# Altium PCB 3-as-manufactured.PcbDoc (part 15 of 16)
Units mil, origin at the board's own origin, x right, y up, seen from the top; angles counter-clockwise.
Board outline 4130.55 x 4250 mil, 8 copper layers (L1_TOP, L2_GND, L3_INT, L4_PWR, L5_PWR, L6_INT, L7_GND, L8_BOT), stack 61 mil thick; 584 components, 489 nets, 2229 pads, 1894 vias.
Unrouted connection lines stored in the file: 4.
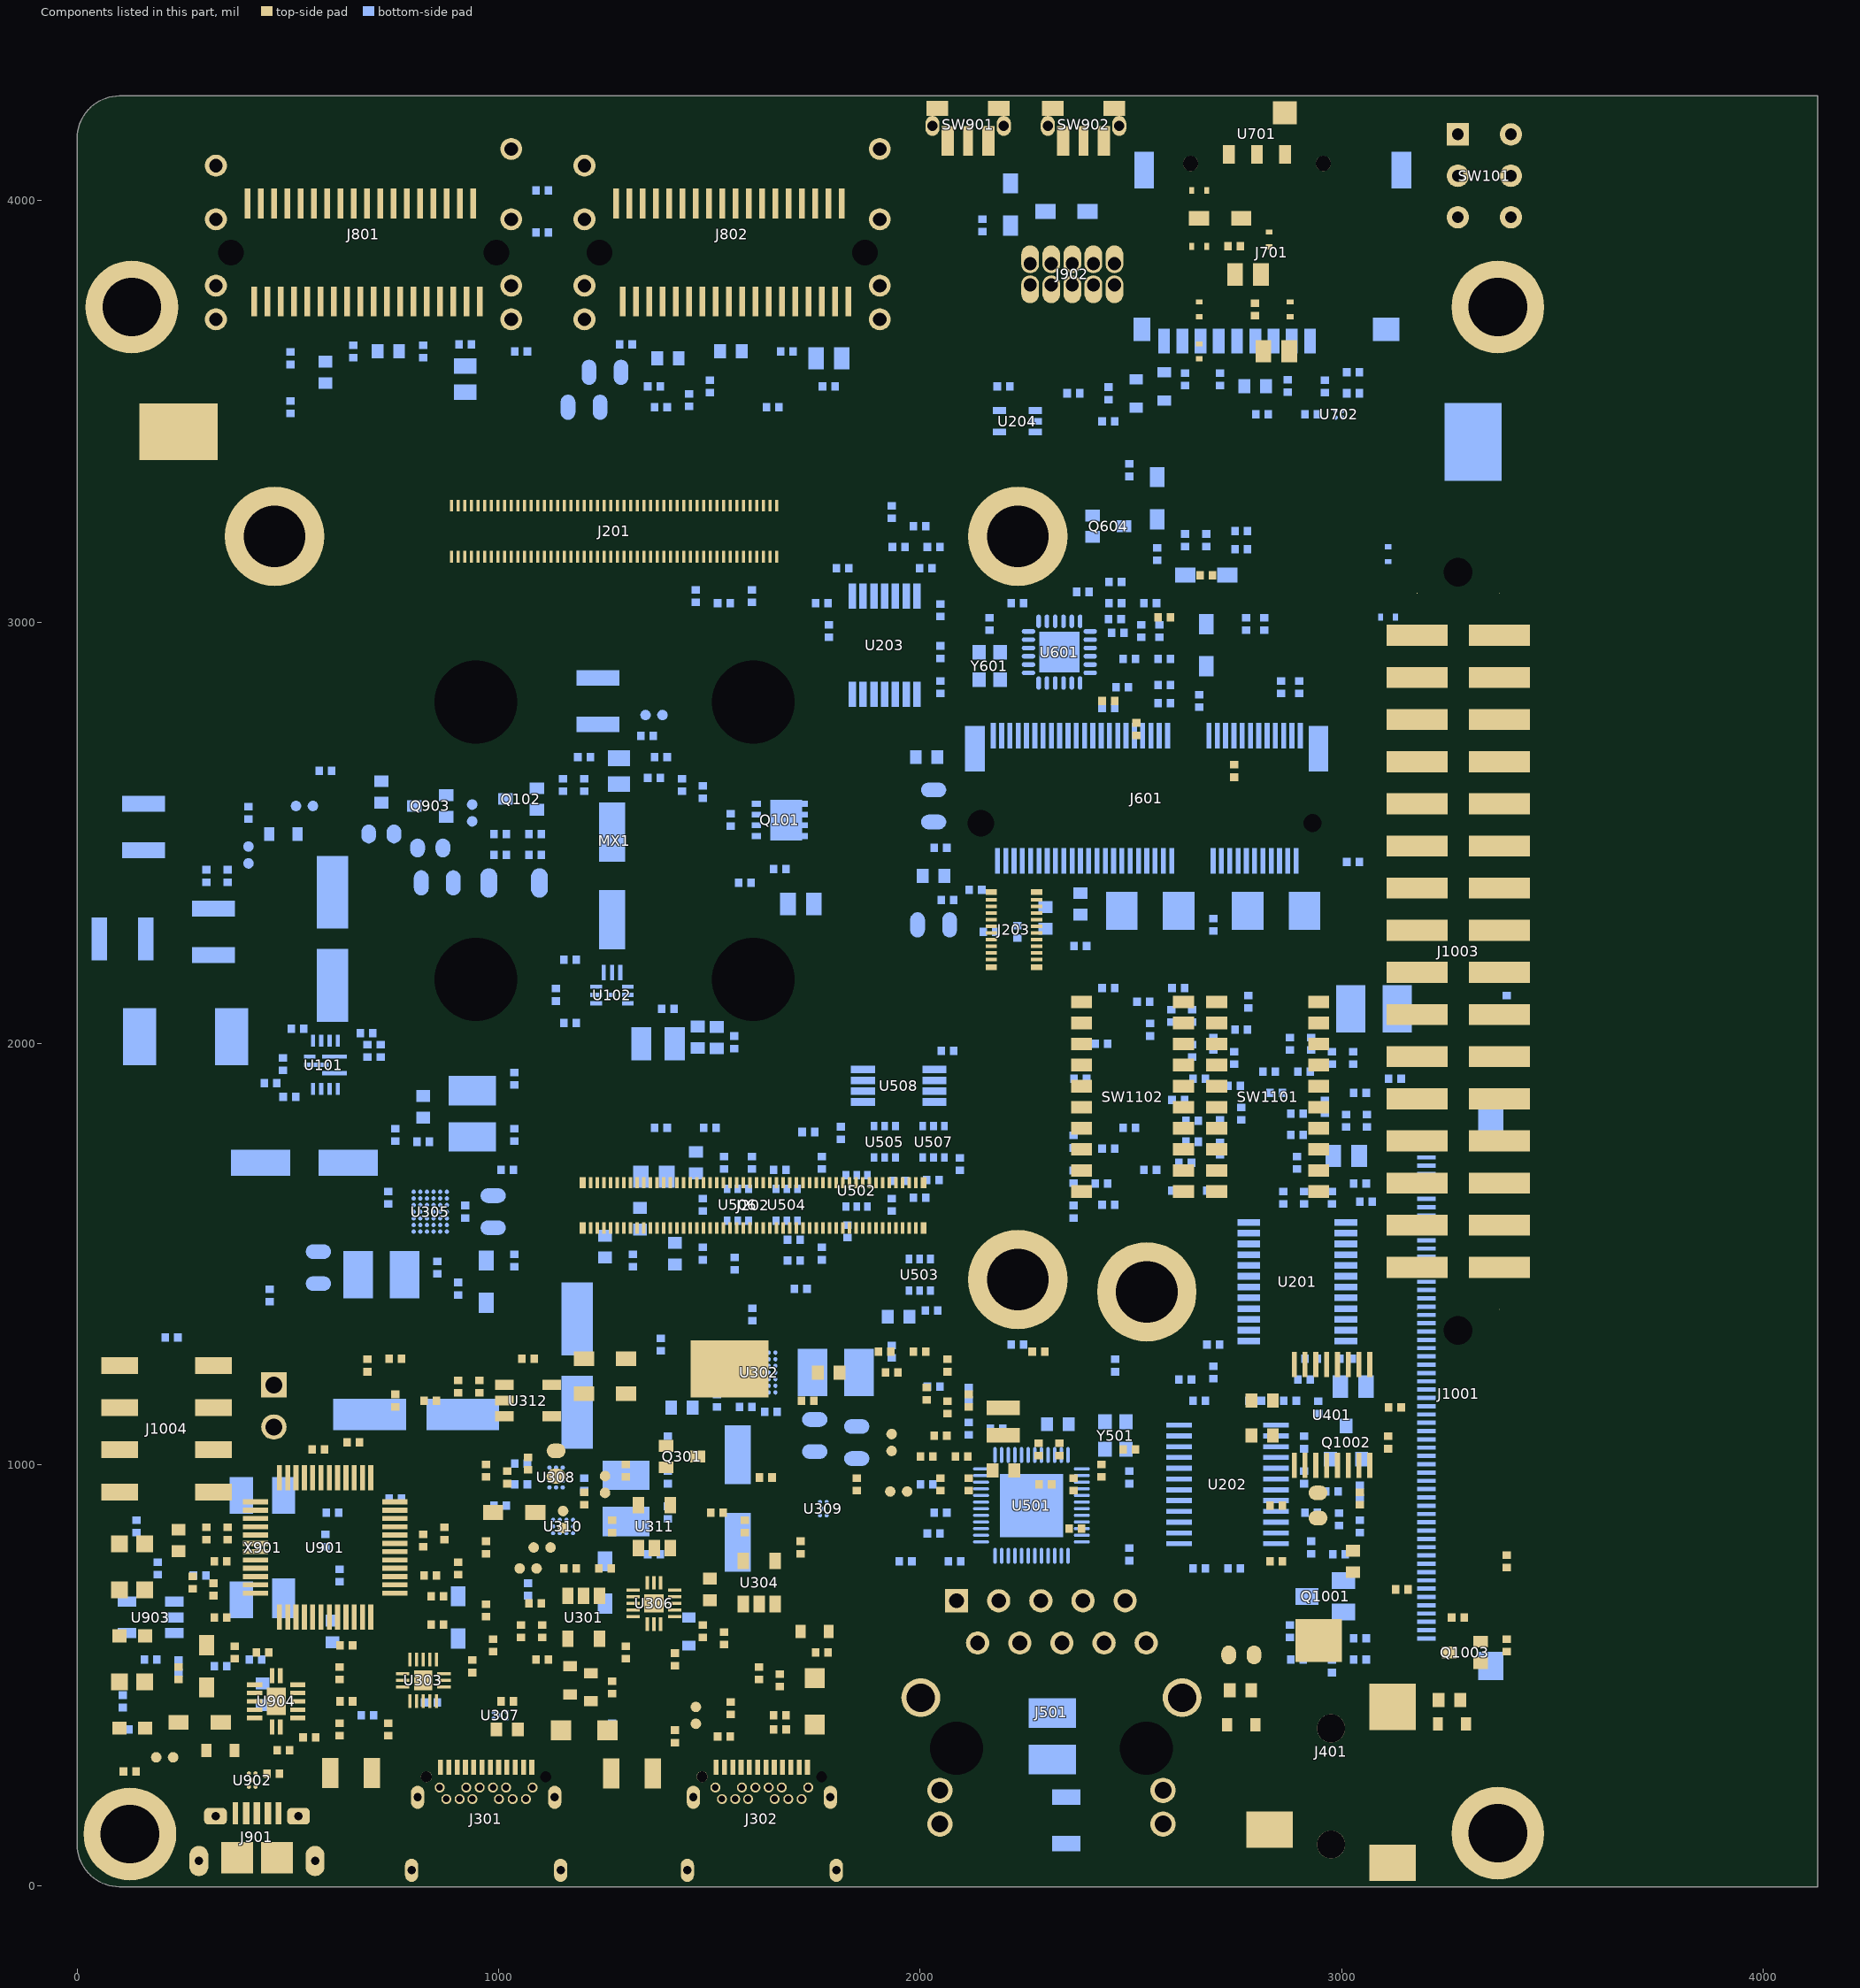
[diagram p21: the components of this part, seen from the top]

## Silkscreen, mask and mechanical layers (free items; w line width, h text height) (continued)
Fab Notes:
  drawing of 289 lines, arcs and shapes, not listed
  text "1. THIS DRAWING SPECIFIES THE REQUIREMENTS FOR A" at -15259.37,7995.79 h94
  text "PRINTED WIRING BOARD IN ACCORDANCE" at -11607,7989 h94
  text "WITH SPECIFICATION IPC-A-600 CLASS 2 (LATEST REVISION)." at -15249.37,7795.79 h94
  text "2. THE PWB MUST BE LEAD FREE ASSEMBLY PROCESS COMPATIBLE AND MUST BE ABLE TO HANDLE" at -15259.37,7395.79 h94
  text "A MINIMUM OF 5 CYCLES AT 260 DEGREES CELSIUS FOR 10 SECONDS." at -15159.37,7195.79 h94
  text "3. BASE MATERIAL - LAMINATE AND PREPREG SHALL MEET IPC-4101B-26, 83 or 98" at -15259.37,6795.79 h94
  text "Tg - MUST BE GREATER THAN OR EQUAL TO 150 DEGREES CELSIUS." at -14220.37,6605.79 h94
  text "Td - MUST BE GREATER THAN OR EQUAL TO 330 DEGREES CELSIUS." at -14220.37,6405.79 h94
  text "4. COPPER FOIL WEIGHT - SEE STACKUP DETAIL 'A'" at -15259.37,5995.79 h94
  text "5. CHARACTERISTIC IMPEDANCE - SEE DETAIL 'B'" at -15259.37,5595.79 h94
  text "6. MINIMUM CONDUCTIVE WIDTH/SPACING TO BE .004\"/.004\"" at -15259.37,5195.79 h94
  text "8" at 5055,5142 h125
  text "7. PLATING FINISH - BOTH SIDES ENIG (ELECTROLESS NICKEL IMMERSION GOLD):" at -15259.37,4795.79 h94
  text ".05080-.232 MICRON (2-8 MICROINCH) OF GOLD OVER" at -13690,4597 h94
  text "2.540-6.350 MICRON (100-250 MICROINCH) OF NICKEL." at -13694.37,4395.79 h94
  text "8. ALL THROUGH HOLE VIAS MAY BE PLATED SHUT." at -15259.37,3995.79 h94
  text "9. SOLDERMASK - GREEN COLOR (TAIYO OR EQUIVALENT), BOTH SIDES." at -15259.37,3595.79 h94
  text "10. SILKSCREEN - WHITE EPOXY INK, BOTH SIDES.  NO SILK ON PADS." at -15270,3249 h94
  text "11. ELECTRICAL TEST - 100% IPCD356." at -15259.37,2865.79 h94
  text "12. PRINTED WIRING BOARD IS TO BE INDIVIDUALLY BAGGED." at -15259.37,2465.79 h94
  text "13. DRC'S MUST BE RUN ON THE GERBER BEFORE BUILDING BOARDS" at -15259.37,2065.79 h94
  text "14. TEARDROPS MAY BE ADDED AT THE FAB HOUSE TO ALL SIGNAL LAYERS." at -15249,1698 h94
  text "15. 2 SOLDER SAMPLES TO BE PROVIDED." at -15247.37,1322.79 h94
  text "16. BASIC GRID INCREMENT AT 1:1 IS .0001." at -15248.37,921.79 h94
  text "17. SUPPLIER MARKINGS - ON SOLDER SIDE ONLY, WHERE SHOWN." at -15248.37,521.79 h94
  text "NO COPPER ALLOWED THIS REGION" at 3887,494 h120 r90
  text "- MUST BE UL RECOGNIZED AND MUST HAVE AN ID THAT CONFORMS TO UL94V-0" at -13631,333 h94
  text "23" at 3742.7,101.4 h94
  text "0" at -1316.37,-35.21 h63
  text "18. THE PWB WILL BE MARKED AS LEAD FREE BY USE OF AN INK STAMP  Pb" at -15247.37,-77.21 h94
  text "19. THE PWB WILL BE MARKED AS LEAD FREE PROCESS COMPATIBLE BY USE OF AN INK STAMP  260 C" at -15247.37,-477.21 h94
  text "16" at -2432.3,-517.6 h94
  text "PRIMARY DATUM" at -2636.61,-719.86 h63
  text "GRID ORIGIN" at -2646.61,-804.86 h63
  text "20. ALL PLATED AND NON-PLATED THROUGH HOLES ARE TO BE DRILLED AT PRIMARY DRILL STEP." at -15233,-849 h94
  text "0" at -26.37,-1019.21 h63
  text "ALL HOLE LOCATION TOLERANCES ARE TO BE +/-.003 IN REFERENCE TO THE PRIMARY DATUM." at -14946,-1064 h94
  text "21. FINISHED PCB MAY BE PANELIZED FOR ASSEMBLY ACCORDING TO CONTRACT MANUFACTURERS REQUIREMENTS." at -15247.37,-1477.21 h94
  text "THE ADDITION OF RAILS AND .125' NON-PLATED TOOLING HOLES ARE AT THE DISCRETION OF" at -14877.37,-1677.21 h94
  text "CONTRACT MANUFACTURER.PANELIZATION MUST BE APPROVED BY CONTRACT MANUFACTURER." at -14877.37,-1877.21 h94
  text "22. THIS BOARD USES VIA-IN-PAD:" at -15259.37,-2226.21 h94
  text "A. VIA HOLES LESS THAN OR EQUAL TO 8MIL TO BE FILLED WITH NON-CONDUCTIVE VIA FILL:" at -14609.37,-2426.21 h94
  text "SAN-EI PHP-900 OR EQUILVALENT EPOXY MADE PLANAR TO PADS." at -14239.37,-2626.21 h94
  text "VIEW FROM PRIMARY SIDE" at 458.39,-2734.86 h125
  text "B. OVERPLATE THE FILLED VIA AND APPLY FINISH METAL TREATMENT." at -14609.37,-2826.21 h94
  text "23.  ANTENNA REGION - NO COPPER ALLOWED" at -15250.37,-3389.21 h94
  text "24.  PASTE-IN-PAD, OFFSET SLOT PTH, 4 PLACES." at -15243.37,-3825.21 h94
  text "DETAIL B: IMPEDANCE REQUIREMENTS" at -1341,-4697 h200
  text "DETAIL A: LAYERS STACKUP" at -11706,-4711 h200
  text "B" at -11690.87,-5003.11 h151.9
  text "o" at -11593.53,-5003.11 h151.9
  text "a" at -11496.19,-5003.11 h151.9
  text "r" at -11398.84,-5003.11 h151.9
  text "d" at -11301.5,-5003.11 h151.9
  text "L" at -11106.81,-5003.11 h151.9
  text "a" at -11009.47,-5003.11 h151.9
  text "y" at -10912.13,-5003.11 h151.9
  text "e" at -10814.79,-5003.11 h151.9
  text "r" at -10717.44,-5003.11 h151.9
  text "S" at -10522.76,-5003.11 h151.9
  text "t" at -10425.42,-5003.11 h151.9
  text "a" at -10328.07,-5003.11 h151.9
  text "c" at -10230.73,-5003.11 h151.9
  text "k" at -10133.39,-5003.11 h151.9
  text "(" at -9938.7,-5003.11 h151.9
  text "T" at -9841.36,-5003.11 h151.9
  text "h" at -9744.02,-5003.11 h151.9
  text "i" at -9646.68,-5003.11 h151.9
  text "c" at -9549.33,-5003.11 h151.9
  text "k" at -9451.99,-5003.11 h151.9
  text "n" at -9354.65,-5003.11 h151.9
  text "e" at -9257.31,-5003.11 h151.9
  text "s" at -9159.96,-5003.11 h151.9
  text "s" at -9062.62,-5003.11 h151.9
  text "a" at -8867.94,-5003.11 h151.9
  text "n" at -8770.59,-5003.11 h151.9
  text "d" at -8673.25,-5003.11 h151.9
  text "W" at -8478.57,-5003.11 h151.9
  text "i" at -8381.22,-5003.11 h151.9
  text "d" at -8283.88,-5003.11 h151.9
  text "t" at -8186.54,-5003.11 h151.9
  text "h" at -8089.2,-5003.11 h151.9
  text "i" at -7894.51,-5003.11 h151.9
  text "n" at -7797.17,-5003.11 h151.9
  text "m" at -7602.48,-5003.11 h151.9
  text "i" at -7505.14,-5003.11 h151.9
  text "l" at -7407.8,-5003.11 h151.9
  text "s" at -7310.46,-5003.11 h151.9
  text ")" at -7213.11,-5003.11 h151.9
  text "I" at -1368.33,-5003.11 h151.9
  text "m" at -1270.99,-5003.11 h151.9
  text "p" at -1173.65,-5003.11 h151.9
  text "e" at -1076.3,-5003.11 h151.9
  text "d" at -978.96,-5003.11 h151.9
  text "a" at -881.62,-5003.11 h151.9
  text "n" at -784.28,-5003.11 h151.9
  text "c" at -686.93,-5003.11 h151.9
  text "e" at -589.59,-5003.11 h151.9
  text "C" at -394.91,-5003.11 h151.9
  text "o" at -297.56,-5003.11 h151.9
  text "n" at -200.22,-5003.11 h151.9
  text "t" at -102.88,-5003.11 h151.9
  text "r" at -5.54,-5003.11 h151.9
  text "o" at 91.81,-5003.11 h151.9
  text "l" at 189.15,-5003.11 h151.9
  text "l" at 286.49,-5003.11 h151.9
  text "e" at 383.83,-5003.11 h151.9
  text "d" at 481.18,-5003.11 h151.9
  text "T" at 675.86,-5003.11 h151.9
  text "r" at 773.2,-5003.11 h151.9
  text "a" at 870.55,-5003.11 h151.9
  text "c" at 967.89,-5003.11 h151.9
  text "e" at 1065.23,-5003.11 h151.9
  text "W" at 1259.92,-5003.11 h151.9
  text "i" at 1357.26,-5003.11 h151.9
  text "d" at 1454.6,-5003.11 h151.9
  text "t" at 1551.95,-5003.11 h151.9
  text "h" at 1649.29,-5003.11 h151.9
  text "s" at 1746.63,-5003.11 h151.9
  text "T" at 1941.32,-5003.11 h151.9
  text "a" at 2038.66,-5003.11 h151.9
  text "b" at 2136,-5003.11 h151.9
  text "l" at 2233.34,-5003.11 h151.9
  text "e" at 2330.69,-5003.11 h151.9
  text "5" at -1372.56,-5197.13 h135.48
  text "0" at -1287.92,-5197.13 h135.48
  text "Ω" at -1203.27,-5197.13 h135.48
  text "S" at -1033.98,-5197.13 h135.48
  text "E" at -949.33,-5197.13 h135.48
  text "8" at -492.25,-5197.13 h135.48
  text "5" at -407.6,-5197.13 h135.48
  text "Ω" at -322.96,-5197.13 h135.48
  text "D" at -153.67,-5197.13 h135.48
  text "i" at -69.02,-5197.13 h135.48
  text "f" at 15.63,-5197.13 h135.48
  text "f" at 100.27,-5197.13 h135.48
  text "e" at 184.92,-5197.13 h135.48
  text "r" at 269.56,-5197.13 h135.48
  text "e" at 354.21,-5197.13 h135.48
  text "n" at 438.85,-5197.13 h135.48
  text "t" at 523.5,-5197.13 h135.48
  text "i" at 608.15,-5197.13 h135.48
  text "a" at 692.79,-5197.13 h135.48
  text "l" at 777.44,-5197.13 h135.48
  text "9" at 1018.68,-5197.13 h135.48
  text "0" at 1103.32,-5197.13 h135.48
  text "Ω" at 1187.97,-5197.13 h135.48
  text "D" at 1357.26,-5197.13 h135.48
  text "i" at 1441.91,-5197.13 h135.48
  text "f" at 1526.55,-5197.13 h135.48
  text "f" at 1611.2,-5197.13 h135.48
  text "e" at 1695.84,-5197.13 h135.48
  text "r" at 1780.49,-5197.13 h135.48
  text "e" at 1865.13,-5197.13 h135.48
  text "n" at 1949.78,-5197.13 h135.48
  text "t" at 2034.43,-5197.13 h135.48
  text "i" at 2119.07,-5197.13 h135.48
  text "a" at 2203.72,-5197.13 h135.48
  text "l" at 2288.36,-5197.13 h135.48
  text "1" at 2521.14,-5197.13 h135.48
  text "0" at 2605.78,-5197.13 h135.48
  text "0" at 2690.43,-5197.13 h135.48
  text "Ω" at 2775.07,-5197.13 h135.48
  text "D" at 2944.37,-5197.13 h135.48
  text "i" at 3029.01,-5197.13 h135.48
  text "f" at 3113.66,-5197.13 h135.48
  text "f" at 3198.3,-5197.13 h135.48
  text "e" at 3282.95,-5197.13 h135.48
  text "r" at 3367.59,-5197.13 h135.48
  text "e" at 3452.24,-5197.13 h135.48
  text "n" at 3536.89,-5197.13 h135.48
  text "t" at 3621.53,-5197.13 h135.48
  text "i" at 3706.18,-5197.13 h135.48
  text "a" at 3790.82,-5197.13 h135.48
  text "l" at 3875.47,-5197.13 h135.48
  text "N" at -11690.87,-5197.79 h151.9
  text "u" at -11597.76,-5197.79 h151.9
  text "m" at -11504.65,-5197.79 h151.9
  text "b" at -11411.54,-5197.79 h151.9
  text "e" at -11318.43,-5197.79 h151.9
  text "r" at -11225.32,-5197.79 h151.9
  text "N" at -10950.22,-5197.79 h151.9
  text "a" at -10857.11,-5197.79 h151.9
  text "m" at -10764,-5197.79 h151.9
  text "e" at -10670.89,-5197.79 h151.9
  text "T" at -9422.37,-5197.79 h151.9
  text "y" at -9329.26,-5197.79 h151.9
  text "p" at -9236.15,-5197.79 h151.9
  text "e" at -9143.04,-5197.79 h151.9
  text "M" at -7932.6,-5197.79 h151.9
  text "a" at -7839.49,-5197.79 h151.9
  text "n" at -7746.38,-5197.79 h151.9
  text "u" at -7653.27,-5197.79 h151.9
  text "f" at -7560.16,-5197.79 h151.9
  text "a" at -7467.05,-5197.79 h151.9
  text "c" at -7373.94,-5197.79 h151.9
  text "t" at -7280.83,-5197.79 h151.9
  text "u" at -7187.72,-5197.79 h151.9
  text "r" at -7094.61,-5197.79 h151.9
  text "e" at -7001.5,-5197.79 h151.9
  text "r" at -6908.39,-5197.79 h151.9
  text "M" at -6637.52,-5197.79 h151.9
  text "a" at -6544.41,-5197.79 h151.9
  text "t" at -6451.3,-5197.79 h151.9
  text "e" at -6358.19,-5197.79 h151.9
  text "r" at -6265.08,-5197.79 h151.9
  text "i" at -6171.97,-5197.79 h151.9
  text "a" at -6078.86,-5197.79 h151.9
  text "l" at -5985.75,-5197.79 h151.9
  text "T" at -4898.06,-5197.79 h151.9
  text "h" at -4804.94,-5197.79 h151.9
  text "i" at -4711.83,-5197.79 h151.9
  text "c" at -4618.72,-5197.79 h151.9
  text "k" at -4525.61,-5197.79 h151.9
  text "n" at -4432.5,-5197.79 h151.9
  text "e" at -4339.39,-5197.79 h151.9
  text "s" at -4246.28,-5197.79 h151.9
  text "s" at -4153.17,-5197.79 h151.9
  text "W" at -3768.04,-5197.79 h151.9
  text "e" at -3674.93,-5197.79 h151.9
  text "i" at -3581.81,-5197.79 h151.9
  text "g" at -3488.7,-5197.79 h151.9
  text "h" at -3395.59,-5197.79 h151.9
  text "t" at -3302.48,-5197.79 h151.9
  text "(" at -3116.26,-5197.79 h151.9
  text "o" at -3023.15,-5197.79 h151.9
  text "z" at -2930.04,-5197.79 h151.9
  text ")" at -2836.93,-5197.79 h151.9
  text "D" at -2654.94,-5197.79 h151.9
  text "k" at -2561.83,-5197.79 h151.9
  text "D" at -1986.24,-5197.79 h151.9
  text "f" at -1893.13,-5197.79 h151.9
  text "White Epoxy" at -6325.03,-5371.66 h152
  text "T" at -10725.91,-5392.48 h151.9
  text "o" at -10632.8,-5392.48 h151.9
  text "p" at -10539.69,-5392.48 h151.9
  text "O" at -10353.47,-5392.48 h151.9
  text "v" at -10260.36,-5392.48 h151.9
  text "e" at -10167.25,-5392.48 h151.9
  text "r" at -10074.14,-5392.48 h151.9
  text "l" at -9981.03,-5392.48 h151.9
  text "a" at -9887.92,-5392.48 h151.9
  text "y" at -9794.81,-5392.48 h151.9
  text "O" at -9028.76,-5392.48 h151.9
  text "v" at -8935.65,-5392.48 h151.9
  text "e" at -8842.54,-5392.48 h151.9
  text "r" at -8749.43,-5392.48 h151.9
  text "l" at -8656.32,-5392.48 h151.9
  text "a" at -8563.21,-5392.48 h151.9
  text "y" at -8470.1,-5392.48 h151.9
  text "W" at -1275.22,-5392.48 h151.9
  text "i" at -1182.11,-5392.48 h151.9
  text "d" at -1089,-5392.48 h151.9
  text "t" at -995.89,-5392.48 h151.9
  text "h" at -902.78,-5392.48 h151.9
  text "W" at -488.02,-5392.48 h151.9
  text "i" at -394.91,-5392.48 h151.9
  text "d" at -301.8,-5392.48 h151.9
  text "t" at -208.69,-5392.48 h151.9
  text "h" at -115.57,-5392.48 h151.9
  text "G" at 265.33,-5392.48 h151.9
  text "a" at 358.44,-5392.48 h151.9
  text "p" at 451.55,-5392.48 h151.9
  text "W" at 1022.91,-5392.48 h151.9
  text "i" at 1116.02,-5392.48 h151.9
  text "d" at 1209.13,-5392.48 h151.9
  text "t" at 1302.24,-5392.48 h151.9
  text "h" at 1395.35,-5392.48 h151.9
  text "G" at 1776.26,-5392.48 h151.9
  text "a" at 1869.37,-5392.48 h151.9
  text "p" at 1962.48,-5392.48 h151.9
  text "W" at 2525.37,-5392.48 h151.9
  text "i" at 2618.48,-5392.48 h151.9
  text "d" at 2711.59,-5392.48 h151.9
  text "t" at 2804.7,-5392.48 h151.9
  text "h" at 2897.81,-5392.48 h151.9
  text "G" at 3274.48,-5392.48 h151.9
  text "a" at 3367.59,-5392.48 h151.9
  text "p" at 3460.7,-5392.48 h151.9
  text "Taiyo or Eq." at -7881.16,-5564.66 h152
  text "Green SMOBC" at -6317.91,-5569.72 h152
  text "T" at -10679.35,-5587.16 h151.9
  text "o" at -10586.24,-5587.16 h151.9
  text "p" at -10493.13,-5587.16 h151.9
  text "S" at -10306.91,-5587.16 h151.9
  text "o" at -10213.8,-5587.16 h151.9
  text "l" at -10120.69,-5587.16 h151.9
  text "d" at -10027.58,-5587.16 h151.9
  text "e" at -9934.47,-5587.16 h151.9
  text "r" at -9841.36,-5587.16 h151.9
  text "S" at -9214.98,-5587.16 h151.9
  text "o" at -9121.87,-5587.16 h151.9
  text "l" at -9028.76,-5587.16 h151.9
  text "d" at -8935.65,-5587.16 h151.9
  text "e" at -8842.54,-5587.16 h151.9
  text "r" at -8749.43,-5587.16 h151.9
  text "M" at -8563.21,-5587.16 h151.9
  text "a" at -8470.1,-5587.16 h151.9
  text "s" at -8376.99,-5587.16 h151.9
  text "k" at -8283.88,-5587.16 h151.9
  text "0" at -4500.22,-5587.16 h151.9
  text "." at -4407.11,-5587.16 h151.9
  text "6" at -4314,-5587.16 h151.9
  text "3" at -2485.65,-5587.16 h151.9
  text "." at -2392.54,-5587.16 h151.9
  text "8" at -2299.43,-5587.16 h151.9
  text "0" at -1888.9,-5587.16 h151.9
  text "." at -1795.79,-5587.16 h151.9
  text "0" at -1702.68,-5587.16 h151.9
  text "3" at -1609.57,-5587.16 h151.9
  text "Copper" at -6090.34,-5761.03 h152
  text "1" at -11098.35,-5781.85 h151.9
  text "L" at -10493.13,-5781.85 h151.9
  text "1" at -10400.02,-5781.85 h151.9
  text "_" at -10306.91,-5781.85 h151.9
  text "T" at -10213.8,-5781.85 h151.9
  text "O" at -10120.69,-5781.85 h151.9
  text "P" at -10027.58,-5781.85 h151.9
  text "S" at -8982.21,-5781.85 h151.9
  text "i" at -8889.1,-5781.85 h151.9
  text "g" at -8795.99,-5781.85 h151.9
  text "n" at -8702.88,-5781.85 h151.9
  text "a" at -8609.77,-5781.85 h151.9
  text "l" at -8516.66,-5781.85 h151.9
  text "1" at -4500.22,-5781.85 h151.9
  text "." at -4407.11,-5781.85 h151.9
  text "4" at -4314,-5781.85 h151.9
  text "1" at -3285.56,-5781.85 h151.9
  text "3" at -1093.23,-5781.85 h151.9
  text "." at -1000.12,-5781.85 h151.9
  text "5" at -907.01,-5781.85 h151.9
  text "4" at -183.29,-5781.85 h151.9
  text "5" at 570.06,-5781.85 h151.9
  text "3" at 1234.52,-5781.85 h151.9
  text "." at 1327.63,-5781.85 h151.9
  text "5" at 1420.74,-5781.85 h151.9
  text "5" at 2076.75,-5781.85 h151.9
  text "3" at 2825.86,-5781.85 h151.9
  text "6" at 3574.98,-5781.85 h151.9
  text "P" at -10632.8,-5976.53 h151.9
  text "r" at -10539.69,-5976.53 h151.9
  text "e" at -10446.58,-5976.53 h151.9
  text "p" at -10353.47,-5976.53 h151.9
  text "r" at -10260.36,-5976.53 h151.9
  text "e" at -10167.25,-5976.53 h151.9
  text "g" at -10074.14,-5976.53 h151.9
  text "1" at -9887.92,-5976.53 h151.9
  text "P" at -9028.76,-5976.53 h151.9
  text "r" at -8935.65,-5976.53 h151.9
  text "e" at -8842.54,-5976.53 h151.9
  text "p" at -8749.43,-5976.53 h151.9
  text "r" at -8656.32,-5976.53 h151.9
  text "e" at -8563.21,-5976.53 h151.9
  text "g" at -8470.1,-5976.53 h151.9
  text "V" at -7589.79,-5976.53 h151.9
  text "e" at -7496.68,-5976.53 h151.9
  text "n" at -7403.57,-5976.53 h151.9
  text "t" at -7310.46,-5976.53 h151.9
  text "e" at -7217.35,-5976.53 h151.9
  text "c" at -7124.24,-5976.53 h151.9
  text "V" at -6353.96,-5976.53 h151.9
  text "T" at -6260.85,-5976.53 h151.9
  text "4" at -6167.74,-5976.53 h151.9
  text "7" at -6074.63,-5976.53 h151.9
  text "_" at -5981.52,-5976.53 h151.9
  text "1" at -5888.41,-5976.53 h151.9
  text "." at -5795.3,-5976.53 h151.9
  text "9" at -5702.19,-5976.53 h151.9
  text "_" at -5609.08,-5976.53 h151.9
  text "1" at -5515.97,-5976.53 h151.9
  text "0" at -5422.86,-5976.53 h151.9
  text "6" at -5329.75,-5976.53 h151.9
  text "1" at -4500.22,-5976.53 h151.9
  text "." at -4407.11,-5976.53 h151.9
  text "9" at -4314,-5976.53 h151.9
  text "3" at -2485.65,-5976.53 h151.9
  text "." at -2392.54,-5976.53 h151.9
  text "5" at -2299.43,-5976.53 h151.9
  text "0" at -1935.46,-5976.53 h151.9
  text "." at -1842.35,-5976.53 h151.9
  text "0" at -1749.24,-5976.53 h151.9
  text "1" at -1656.13,-5976.53 h151.9
  text "9" at -1563.02,-5976.53 h151.9
  text "Copper" at -6090.34,-6150.4 h152
  text "2" at -11098.35,-6171.22 h151.9
  text "L" at -10493.13,-6171.22 h151.9
  text "2" at -10400.02,-6171.22 h151.9
  text "_" at -10306.91,-6171.22 h151.9
  text "G" at -10213.8,-6171.22 h151.9
  text "N" at -10120.69,-6171.22 h151.9
  text "D" at -10027.58,-6171.22 h151.9
  text "P" at -8935.65,-6171.22 h151.9
  text "l" at -8842.54,-6171.22 h151.9
  text "a" at -8749.43,-6171.22 h151.9
  text "n" at -8656.32,-6171.22 h151.9
  text "e" at -8563.21,-6171.22 h151.9
  text "0" at -4500.22,-6171.22 h151.9
  text "." at -4407.11,-6171.22 h151.9
  text "6" at -4314,-6171.22 h151.9
  text "0" at -3378.67,-6171.22 h151.9
  text "." at -3285.56,-6171.22 h151.9
  text "5" at -3192.44,-6171.22 h151.9
  text "G" at -1093.23,-6171.22 h151.9
  text "N" at -1000.12,-6171.22 h151.9
  text "D" at -907.01,-6171.22 h151.9
  text "G" at -276.4,-6171.22 h151.9
  text "N" at -183.29,-6171.22 h151.9
  text "D" at -90.18,-6171.22 h151.9
  text "G" at 476.94,-6171.22 h151.9
  text "N" at 570.06,-6171.22 h151.9
  text "D" at 663.17,-6171.22 h151.9
  text "G" at 1234.52,-6171.22 h151.9
  text "N" at 1327.63,-6171.22 h151.9
  text "D" at 1420.74,-6171.22 h151.9
  text "G" at 1983.64,-6171.22 h151.9
  text "N" at 2076.75,-6171.22 h151.9
  text "D" at 2169.86,-6171.22 h151.9
  text "G" at 2732.75,-6171.22 h151.9
  text "N" at 2825.86,-6171.22 h151.9

## Text inside footprints (layer, text, board x,y; h text height)
U305: Bottom Overlay "6" at 802.69,1673.17 h20; Bottom Overlay "1" at 878.35,1672.17 h20; Bottom Overlay "G" at 918.35,1542.84 h20; Bottom Overlay "A" at 919.35,1641.84 h20; Bottom Pin Number "A1" at 881.44,1646.45 h5; Bottom Pin Number "G2" at 864.75,1551.98 h5; Bottom Pin Number "G3" at 849,1551.98 h5; Bottom Pin Number "E2" at 865.14,1583.47 h5; Bottom Pin Number "F2" at 865.27,1567.72 h5; Bottom Pin Number "E3" at 849.39,1583.47 h5; Bottom Pin Number "F3" at 849.52,1567.72 h5; Bottom Pin Number "D2" at 864.88,1599.21 h5; Bottom Pin Number "D3" at 849.13,1599.21 h5; Bottom Pin Number "G1" at 881.57,1551.98 h5; Bottom Pin Number "B5" at 817.64,1630.71 h5; Bottom Pin Number "B4" at 833.27,1630.71 h5; Bottom Pin Number "A4" at 833.01,1646.45 h5; Bottom Pin Number "B2" at 864.88,1630.71 h5; Bottom Pin Number "B3" at 849.13,1630.71 h5; Bottom Pin Number "B6" at 802.01,1630.71 h5; Bottom Pin Number "C3" at 848.87,1614.96 h5; Bottom Pin Number "C2" at 864.62,1614.96 h5; Bottom Pin Number "G5" at 817.51,1551.98 h5; Bottom Pin Number "G4" at 833.14,1551.98 h5; Bottom Pin Number "F5" at 818.03,1567.72 h5; Bottom Pin Number "F4" at 833.66,1567.72 h5; Bottom Pin Number "E5" at 817.9,1583.47 h5; Bottom Pin Number "E4" at 833.53,1583.47 h5; Bottom Pin Number "C4" at 833.01,1614.96 h5; Bottom Pin Number "C5" at 817.38,1614.96 h5; Bottom Pin Number "D4" at 833.27,1599.21 h5; Bottom Pin Number "D5" at 817.64,1599.21 h5; Bottom Pin Number "D1" at 881.7,1599.21 h5; Bottom Pin Number "C1" at 881.44,1614.96 h5; Bottom Pin Number "B1" at 881.7,1630.71 h5; Bottom Pin Number "F1" at 882.09,1567.72 h5; Bottom Pin Number "E1" at 881.96,1583.47 h5; Bottom Pin Number "A2" at 864.62,1646.45 h5; Bottom Pin Number "A6" at 801.75,1646.45 h5; Bottom Pin Number "A3" at 848.87,1646.45 h5; Bottom Pin Number "A5" at 817.38,1646.45 h5; Bottom Pin Number "G6" at 801.88,1551.98 h5; Bottom Pin Number "F6" at 802.4,1567.72 h5; Bottom Pin Number "E6" at 802.27,1583.47 h5; Bottom Pin Number "C6" at 801.75,1614.96 h5; Bottom Pin Number "D6" at 802.01,1599.21 h5; Bottom Assembly "6" at 797.98,1671.71 h15; Bottom Assembly "1" at 884.59,1671.71 h15; Bottom Assembly "G" at 916.09,1545.72 h15; Bottom Assembly "A" at 916.09,1648.08 h15
U306: Top Overlay "1" at 1471.19,636.35 h30 r180; Top Assembly "13" at 1297.32,631.78 h15 r180; Top Assembly "9" at 1289.45,726.27 h15 r180; Top Assembly "5" at 1454.79,726.27 h15 r180; Top Assembly "1" at 1454.79,639.65 h15 r180; Top Pin Number "2" at 1421.4,659.4 h10 r180; Top Pin Number "11" at 1324.98,675.15 h10 r180; Top Pin Number "9" at 1323.19,706.15 h10 r180; Top Pin Number "1" at 1421.4,643.65 h10 r180; Top Pin Number "3" at 1421.4,675.15 h10 r180; Top Pin Number "17" at 1375.19,674.15 h10 r180; Top Pin Number "15" at 1364.06,629.09 h10 r270; Top Pin Number "5" at 1421.4,706.65 h10 r180; Top Pin Number "7" at 1363.06,721.51 h10 r270; Top Pin Number "8" at 1347.31,721.51 h10 r270; Top Pin Number "12" at 1324.98,659.4 h10 r180; Top Pin Number "14" at 1348.31,629.09 h10 r270; Top Pin Number "10" at 1324.98,690.9 h10 r180; Top Pin Number "13" at 1324.98,643.65 h10 r180; Top Pin Number "4" at 1421.4,690.9 h10 r180; Top Pin Number "16" at 1379.81,629.09 h10 r270; Top Pin Number "6" at 1378.81,721.51 h10 r270
U307: Bottom Overlay "A" at 1025.71,357.5 h15; Bottom Overlay "C" at 993.36,358.5 h15; Bottom Overlay "1" at 1048.79,378.5 h15; Bottom Pin Number "B1" at 1000.74,402.71 h5 r270; Bottom Pin Number "C1" at 984.99,394.58 h5 r270; Bottom Pin Number "C2" at 984.99,409.24 h5 r270; Bottom Pin Number "A2" at 1016.49,409.24 h5 r270; Bottom Pin Number "A1" at 1016.49,394.58 h5 r270; Bottom Assembly "1" at 1038.24,393.34 h10 r270; Bottom Assembly "A" at 1015.5,370.48 h10 r270; Bottom Assembly "C" at 982.12,370.2 h10 r270
U308: Bottom Overlay "A" at 1184.95,986.98 h15; Bottom Overlay "1" at 1156.26,1015.55 h15; Bottom Overlay "3" at 1122.29,1016.22 h15; Bottom Pin Number "B1" at 1154.52,975.35 h5; Bottom Pin Number "A1" at 1154.78,991.1 h5; Bottom Pin Number "A2" at 1140.1,991.1 h5; Bottom Pin Number "B2" at 1139.84,975.35 h5; Bottom Pin Number "C2" at 1140.1,959.61 h5; Bottom Pin Number "C1" at 1154.78,959.61 h5; Bottom Pin Number "D3" at 1124.09,943.86 h5; Bottom Pin Number "B3" at 1124.09,975.35 h5; Bottom Pin Number "C3" at 1124.35,959.61 h5; Bottom Pin Number "A3" at 1124.35,991.1 h5; Bottom Pin Number "D2" at 1139.84,943.86 h5; Bottom Pin Number "D1" at 1154.52,943.86 h5; Bottom Assembly "A" at 1184.66,986.48 h15; Bottom Assembly "D" at 1184.94,935.48 h15; Bottom Assembly "1" at 1156.26,1008.72 h15; Bottom Assembly "3" at 1125.07,1008.05 h15
U309: Bottom Pin Number "B1" at 1767.18,898.5 h5 r180; Bottom Pin Number "C1" at 1759.05,914.25 h5 r180; Bottom Pin Number "C2" at 1773.72,914.25 h5 r180; Bottom Pin Number "A2" at 1773.72,882.75 h5 r180; Bottom Pin Number "A1" at 1759.05,882.75 h5 r180; Bottom Assembly "1" at 1757.81,861 h10 r180; Bottom Assembly "A" at 1734.95,883.74 h10 r180; Bottom Assembly "C" at 1734.67,917.12 h10 r180
U310: Bottom Overlay "A" at 1188,802.13 h15; Bottom Overlay "1" at 1099,830 h15; Bottom Overlay "3" at 1101,863 h15; Bottom Pin Number "B1" at 1157.9,835.2 h5 r270; Bottom Pin Number "A1" at 1173.65,834.94 h5 r270; Bottom Pin Number "A2" at 1173.65,849.62 h5 r270; Bottom Pin Number "B2" at 1157.9,849.88 h5 r270; Bottom Pin Number "C2" at 1142.17,849.62 h5 r270; Bottom Pin Number "C1" at 1142.17,834.94 h5 r270; Bottom Pin Number "D3" at 1126.42,865.63 h5 r270; Bottom Pin Number "B3" at 1157.9,865.63 h5 r270; Bottom Pin Number "C3" at 1142.17,865.36 h5 r270; Bottom Pin Number "A3" at 1173.65,865.36 h5 r270; Bottom Pin Number "D2" at 1126.42,849.88 h5 r270; Bottom Pin Number "D1" at 1126.42,835.2 h5 r270; Bottom Assembly "A" at 1169.04,805.06 h15 r270; Bottom Assembly "D" at 1118.04,804.77 h15 r270; Bottom Assembly "1" at 1191.27,833.45 h15 r270; Bottom Assembly "3" at 1190.6,864.64 h15 r270
U311: Top Overlay "1" at 1294.62,768.55 h30; Top Assembly "1" at 1286.99,803.55 h15; Top Pin Number "5" at 1327.91,900.05 h10; Top Pin Number "1" at 1325.77,798.05 h10; Top Pin Number "2" at 1365.41,798.05 h10; Top Pin Number "3" at 1402.91,798.05 h10; Top Pin Number "4" at 1403.15,900.05 h10
U312: Top Overlay "1" at 989.38,1206.54 h15 r180
U401: Top Overlay "1" at 3059.5,1281.03 h31; Top Assembly "9" at 2881.66,1002.69 h25 r270; Top Assembly "8" at 2881.66,1246.21 h25 r270; Top Assembly "1" at 3047.26,1244.04 h25 r270; Top Assembly "16" at 3047.26,1020.09 h25 r270; Top Pin Number "4" at 2985.56,1238.36 h10 r270; Top Pin Number "13" at 2985.56,1000.7 h10 r270; Top Pin Number "7" at 2908.76,1238.36 h10 r270; Top Pin Number "8" at 2883.16,1238.36 h10 r270; Top Pin Number "14" at 3011.16,1000.7 h10 r270; Top Pin Number "16" at 3062.36,1000.7 h10 r270; Top Pin Number "1" at 3062.36,1238.36 h10 r270; Top Pin Number "6" at 2934.36,1238.36 h10 r270; Top Pin Number "5" at 2959.96,1238.36 h10 r270; Top Pin Number "3" at 3011.16,1238.36 h10 r270; Top Pin Number "10" at 2908.76,1000.7 h10 r270; Top Pin Number "9" at 2883.16,1000.86 h10 r270; Top Pin Number "12" at 2959.96,1000.7 h10 r270; Top Pin Number "2" at 3036.76,1238.36 h10 r270; Top Pin Number "11" at 2934.36,1000.7 h10 r270; Top Pin Number "15" at 3036.76,1000.7 h10 r270
U501: Bottom Overlay "1" at 2410.02,1010.56 h20; Bottom Overlay "12" at 2429.05,783.71 h20; Bottom Overlay "13" at 2394.05,743.71 h20; Bottom Overlay "24" at 2164.05,738.71 h20; Bottom Overlay "25" at 2112,798 h20; Bottom Overlay "36" at 2125.72,1010.97 h20; Bottom Overlay "37" at 2159.05,1038.71 h20; Bottom Overlay "48" at 2394.05,1043.71 h20; Bottom Pin Number "48" at 2345.66,1015.51 h10 r270; Bottom Pin Number "1" at 2384.83,985.32 h10; Bottom Pin Number "36" at 2152.01,985.32 h10; Bottom Pin Number "49" at 2271.59,898.71 h10; Bottom Pin Number "29" at 2152.01,875.09 h10; Bottom Pin Number "27" at 2152.24,843.59 h10; Bottom Pin Number "28" at 2152.24,859.34 h10; Bottom Pin Number "30" at 2152.24,890.84 h10; Bottom Pin Number "31" at 2150.1,906.58 h10; Bottom Pin Number "32" at 2152.24,922.33 h10; Bottom Pin Number "33" at 2152.24,938.08 h10; Bottom Pin Number "45" at 2298.42,1015.51 h10 r270; Bottom Pin Number "46" at 2314.17,1015.75 h10 r270; Bottom Pin Number "42" at 2251.18,1015.51 h10 r270; Bottom Pin Number "43" at 2266.92,1015.51 h10 r270; Bottom Pin Number "4" at 2387.21,938.08 h10; Bottom Pin Number "10" at 2390.64,843.59 h10; Bottom Pin Number "26" at 2152.01,827.84 h10; Bottom Pin Number "24" at 2172.44,776.1 h10 r270; Bottom Pin Number "21" at 2219.68,778.48 h10 r270; Bottom Pin Number "20" at 2235.43,776.34 h10 r270; Bottom Pin Number "15" at 2314.17,777.12 h10 r270; Bottom Pin Number "22" at 2203.93,776.34 h10 r270; Bottom Pin Number "12" at 2390.64,812.1 h10; Bottom Pin Number "18" at 2266.92,777.12 h10 r270; Bottom Pin Number "11" at 2388.49,827.84 h10; Bottom Pin Number "17" at 2282.67,777.12 h10 r270; Bottom Pin Number "25" at 2152.24,812.1 h10; Bottom Pin Number "19" at 2251.18,777.36 h10 r270; Bottom Pin Number "13" at 2345.66,777.12 h10 r270; Bottom Pin Number "8" at 2386.97,875.09 h10; Bottom Pin Number "44" at 2282.67,1015.28 h10 r270; Bottom Pin Number "34" at 2152.48,953.83 h10; Bottom Pin Number "39" at 2203.93,1015.75 h10 r270; Bottom Pin Number "38" at 2188.18,1015.51 h10 r270; Bottom Pin Number "37" at 2172.44,1015.51 h10 r270; Bottom Pin Number "35" at 2152.24,969.58 h10; Bottom Pin Number "5" at 2386.97,922.33 h10; Bottom Pin Number "40" at 2219.68,1015.51 h10 r270; Bottom Pin Number "23" at 2188.18,776.34 h10 r270; Bottom Pin Number "2" at 2386.97,969.58 h10; Bottom Pin Number "47" at 2329.92,1015.51 h10 r270; Bottom Pin Number "16" at 2298.42,777.36 h10 r270; Bottom Pin Number "14" at 2329.92,776.89 h10 r270; Bottom Pin Number "3" at 2386.97,953.83 h10; Bottom Pin Number "9" at 2386.73,859.34 h10; Bottom Pin Number "7" at 2386.97,890.84 h10; Bottom Pin Number "6" at 2386.73,906.58 h10; Bottom Pin Number "41" at 2235.43,1017.66 h10 r270; Bottom Assembly "12" at 2374.05,798.71 h25 r270; Bottom Assembly "24" at 2197.18,773.91 h25; Bottom Assembly "13" at 2369.05,768.71 h25; Bottom Assembly "36" at 2131.75,970.58 h25 r270; Bottom Assembly "25" at 2134.05,798.71 h25 r270; Bottom Assembly "37" at 2197.18,1011.42 h25; Bottom Assembly "48" at 2372.32,1011.98 h25; Bottom Assembly "1" at 2372.74,986.32 h25 r270
U502: Bottom Overlay "1" at 1859.25,1585.43 h31 r270; Bottom Pin Number "2" at 1841.5,1607.03 h15 r270; Bottom Pin Number "5" at 1841.5,1681.85 h15 r270; Bottom Pin Number "1" at 1867.1,1604.89 h15 r270; Bottom Pin Number "3" at 1815.9,1607.03 h15 r270; Bottom Pin Number "6" at 1867.1,1681.61 h15 r270; Bottom Pin Number "4" at 1815.9,1682.09 h15 r270; Bottom Assembly "1" at 1864.25,1590.43 h25 r270
U503: Bottom Overlay "1" at 2008.55,1386.21 h31 r270; Bottom Pin Number "2" at 1990.8,1407.81 h15 r270; Bottom Pin Number "5" at 1990.8,1482.63 h15 r270; Bottom Pin Number "1" at 2016.4,1405.67 h15 r270; Bottom Pin Number "3" at 1965.2,1407.81 h15 r270; Bottom Pin Number "6" at 2016.4,1482.39 h15 r270; Bottom Pin Number "4" at 1965.2,1482.87 h15 r270; Bottom Assembly "1" at 2013.55,1391.21 h25 r270
U504: Bottom Overlay "1" at 1693.37,1552.23 h31 r270; Bottom Pin Number "2" at 1675.62,1573.83 h15 r270; Bottom Pin Number "5" at 1675.62,1648.65 h15 r270; Bottom Pin Number "1" at 1701.22,1571.69 h15 r270; Bottom Pin Number "3" at 1650.02,1573.83 h15 r270; Bottom Pin Number "6" at 1701.22,1648.41 h15 r270; Bottom Pin Number "4" at 1650.02,1648.89 h15 r270; Bottom Assembly "1" at 1698.37,1557.23 h25 r270
U505: Bottom Overlay "1" at 1925.61,1701.64 h31 r270; Bottom Pin Number "2" at 1907.86,1723.24 h15 r270; Bottom Pin Number "5" at 1907.86,1798.06 h15 r270; Bottom Pin Number "1" at 1933.46,1721.1 h15 r270; Bottom Pin Number "3" at 1882.26,1723.24 h15 r270; Bottom Pin Number "6" at 1933.46,1797.82 h15 r270; Bottom Pin Number "4" at 1882.26,1798.3 h15 r270; Bottom Assembly "1" at 1930.61,1706.64 h25 r270
U506: Bottom Overlay "1" at 1577.25,1552.23 h31 r270; Bottom Pin Number "2" at 1559.5,1573.83 h15 r270; Bottom Pin Number "5" at 1559.5,1648.65 h15 r270; Bottom Pin Number "1" at 1585.1,1571.69 h15 r270; Bottom Pin Number "3" at 1533.9,1573.83 h15 r270; Bottom Pin Number "6" at 1585.1,1648.41 h15 r270; Bottom Pin Number "4" at 1533.9,1648.89 h15 r270; Bottom Assembly "1" at 1582.25,1557.23 h25 r270
U507: Bottom Overlay "1" at 2041.73,1701.64 h31 r270; Bottom Pin Number "2" at 2023.98,1723.24 h15 r270; Bottom Pin Number "5" at 2023.98,1798.06 h15 r270; Bottom Pin Number "1" at 2049.58,1721.1 h15 r270; Bottom Pin Number "3" at 1998.38,1723.24 h15 r270; Bottom Pin Number "6" at 2049.58,1797.82 h15 r270; Bottom Pin Number "4" at 1998.38,1798.3 h15 r270; Bottom Assembly "1" at 2046.73,1706.64 h25 r270
U508: Bottom Overlay "1" at 2078.79,1934.67 h20; Bottom Pin Number "6" at 1869.03,1883.13 h10; Bottom Pin Number "1" at 2041.19,1934.32 h10; Bottom Pin Number "8" at 1868.68,1934.32 h10; Bottom Pin Number "3" at 2037.98,1883.13 h10; Bottom Pin Number "7" at 1868.68,1908.73 h10; Bottom Pin Number "5" at 1868.68,1857.54 h10; Bottom Pin Number "4" at 2037.62,1857.54 h10; Bottom Pin Number "2" at 2037.98,1908.73 h10
U601: Bottom Pin Number "24" at 2285.97,2863.65 h10 r90; Bottom Pin Number "21" at 2345.02,2861.27 h10 r90; Bottom Pin Number "6" at 2253.85,2983.06 h10 r180; Bottom Pin Number "15" at 2396.41,2943.69 h10 r180; Bottom Pin Number "25" at 2322.39,2933.85 h10 r180; Bottom Pin Number "10" at 2345.02,3009.08 h10 r90; Bottom Pin Number "4" at 2253.38,2943.69 h10 r180; Bottom Pin Number "13" at 2396.41,2983.06 h10 r180; Bottom Pin Number "14" at 2396.17,2963.38 h10 r180; Bottom Pin Number "17" at 2396.41,2904.33 h10 r180; Bottom Pin Number "23" at 2305.65,2863.41 h10 r90; Bottom Pin Number "1" at 2255.76,2884.65 h10 r180; Bottom Pin Number "18" at 2396.41,2884.65 h10 r180; Bottom Pin Number "12" at 2384.39,3009.08 h10 r90; Bottom Pin Number "2" at 2253.62,2904.33 h10 r180; Bottom Pin Number "19" at 2384.39,2862.39 h10 r90; Bottom Pin Number "11" at 2364.71,3006.94 h10 r90; Bottom Pin Number "20" at 2364.71,2863.41 h10 r90; Bottom Pin Number "16" at 2396.65,2924.02 h10 r180; Bottom Pin Number "3" at 2253.62,2924.02 h10 r180; Bottom Pin Number "22" at 2325.34,2863.41 h10 r90; Bottom Pin Number "8" at 2305.65,3005.42 h10 r90; Bottom Pin Number "9" at 2325.34,3005.18 h10 r90; Bottom Pin Number "5" at 2253.62,2963.38 h10 r180; Bottom Pin Number "7" at 2285.97,3005.42 h10 r90; Bottom Assembly "1" at 2255.17,2887.14 h15 r180; Bottom Assembly "6" at 2252.31,2985.56 h15 r180; Bottom Assembly "7" at 2288.47,3007.08 h15 r90; Bottom Assembly "12" at 2386.89,3012.58 h15 r90; Bottom Assembly "13" at 2392.91,2985.56 h15 r180; Bottom Assembly "18" at 2392.91,2887.14 h15 r180; Bottom Assembly "19" at 2386.89,2865.77 h15 r90; Bottom Assembly "24" at 2288.47,2867.66 h15 r90
U701: Top Assembly "1" at 2873.88,4054.8 h25; Top Assembly "3" at 2712.47,4054.8 h25; Top Pin Number "1" at 2856.85,4099.25 h25; Top Pin Number "2" at 2789.92,4099.25 h25; Top Pin Number "3" at 2722.99,4099.25 h25; Top Pin Number "4" at 2856.06,4198.3 h25
U702: Bottom Overlay "A1" at 2974,3457 h15; Bottom Pin Number "B2" at 2997.84,3503.79 h5 r180; Bottom Pin Number "A1" at 2982.91,3488.05 h5 r180; Bottom Pin Number "B1" at 2983.17,3503.79 h5 r180; Bottom Pin Number "A2" at 2997.58,3488.05 h5 r180; Bottom Assembly "A1" at 2967.74,3482.03 h10 r180
U901: Top Overlay "1" at 465.83,614.84 h31 r90; Top Overlay "12" at 738.82,604.53 h31 r90; Top Overlay "13" at 777.9,638.84 h31 r90; Top Overlay "24" at 775.98,924.62 h31 r90; Top Overlay "25" at 737.35,961.78 h31 r90; Top Overlay "36" at 464.72,962.51 h31 r90; Top Overlay "37" at 427.93,923.88 h31 r90; Top Overlay "48" at 427.93,634.7 h31 r90; Top Assembly "1" at 462.9,623.84 h25 r90; Top Assembly "48" at 422.9,643.84 h25 r90; Top Assembly "37" at 424.38,925.88 h25 r90; Top Assembly "36" at 461.26,956.77 h25 r90; Top Assembly "25" at 732.9,958.84 h25 r90; Top Assembly "24" at 764.25,925.38 h25 r90; Top Assembly "13" at 762.9,648.84 h25 r90; Top Pin Number "39" at 433.48,877.79 h15 r180; Top Pin Number "23" at 764.48,897.49 h15 r180; Top Pin Number "7" at 602.59,638.34 h15 r90; Top Pin Number "8" at 622.29,638.34 h15 r90; Top Pin Number "24" at 764.48,917.19 h15 r180; Top Pin Number "46" at 433.48,739.89 h15 r180; Top Pin Number "40" at 433.48,858.09 h15 r180; Top Pin Number "2" at 504.09,638.34 h15 r90; Top Pin Number "10" at 661.53,638.34 h15 r90; Top Pin Number "14" at 764.48,720.19 h15 r180; Top Pin Number "31" at 582.73,969.34 h15 r90; Top Pin Number "26" at 681.23,969.34 h15 r90; Top Pin Number "44" at 433.48,779.29 h15 r180; Top Pin Number "4" at 543.49,638.34 h15 r90; Top Pin Number "5" at 563.19,638.34 h15 r90; Top Pin Number "43" at 433.48,798.99 h15 r180; Top Pin Number "6" at 582.89,638.34 h15 r90; Top Pin Number "41" at 433.48,838.39 h15 r180; Top Pin Number "20" at 764.48,838.39 h15 r180; Top Pin Number "21" at 764.48,858.09 h15 r180; Top Pin Number "22" at 764.48,877.79 h15 r180; Top Pin Number "15" at 764.48,739.89 h15 r180; Top Pin Number "13" at 764.48,700.49 h15 r180; Top Pin Number "29" at 622.13,969.34 h15 r90; Top Pin Number "27" at 661.53,969.34 h15 r90; Top Pin Number "28" at 641.83,969.34 h15 r90; Top Pin Number "11" at 681.23,638.34 h15 r90; Top Pin Number "12" at 700.93,638.34 h15 r90; Top Pin Number "3" at 523.79,638.34 h15 r90; Top Pin Number "42" at 433.48,818.69 h15 r180; Top Pin Number "25" at 700.93,969.34 h15 r90; Top Pin Number "34" at 523.63,969.34 h15 r90; Top Pin Number "18" at 764.48,798.99 h15 r180; Top Pin Number "9" at 641.99,638.34 h15 r90; Top Pin Number "47" at 433.48,720.19 h15 r180; Top Pin Number "45" at 433.48,759.59 h15 r180; Top Pin Number "1" at 484.39,638.34 h15 r90; Top Pin Number "48" at 433.48,700.49 h15 r180; Top Pin Number "32" at 563.03,969.34 h15 r90; Top Pin Number "33" at 543.33,969.34 h15 r90; Top Pin Number "35" at 503.93,969.34 h15 r90; Top Pin Number "36" at 484.23,969.34 h15 r90; Top Pin Number "37" at 433.48,917.19 h15 r180; Top Pin Number "38" at 433.48,897.49 h15 r180; Top Pin Number "30" at 602.43,969.34 h15 r90; Top Pin Number "16" at 764.48,759.59 h15 r180; Top Pin Number "17" at 764.48,779.29 h15 r180; Top Pin Number "19" at 764.48,818.69 h15 r180
U902: Top Assembly "C" at 450.21,272.91 h10 r180; Top Assembly "A" at 449.94,239.52 h10 r180; Top Assembly "1" at 427.07,216.79 h10 r180; Top Pin Number "A1" at 425.83,238.54 h5 r180; Top Pin Number "A2" at 411.17,238.54 h5 r180; Top Pin Number "C2" at 411.17,270.04 h5 r180; Top Pin Number "C1" at 425.83,270.04 h5 r180; Top Pin Number "B1" at 417.7,254.29 h5 r180
U903: Bottom Overlay "1" at 254.02,691.89 h15 r180
U904: Top Assembly "1" at 478.13,365.46 h25; Top Pin Number "6" at 527.8,475.01 h10 r90; Top Pin Number "9" at 425.44,475.01 h10 r90; Top Pin Number "15" at 476.62,431.73 h10 r90; Top Pin Number "7" at 486.46,496.42 h10 r90; Top Pin Number "1" at 486.46,376.52 h10 r90; Top Pin Number "4" at 527.8,435.16 h10 r90; Top Pin Number "3" at 527.8,415.71 h10 r90; Top Pin Number "2" at 527.8,396.03 h10 r90; Top Pin Number "5" at 527.8,455.09 h10 r90; Top Pin Number "14" at 466.78,370.47 h10 r90; Top Pin Number "8" at 466.78,496.42 h10 r90; Top Pin Number "11" at 425.44,433.88 h10 r90; Top Pin Number "13" at 425.44,392.36 h10 r90; Top Pin Number "12" at 425.44,412.04 h10 r90; Top Pin Number "10" at 425.44,451.42 h10 r90
X901: Bottom Overlay "1" at 579.23,968.82 h31 r90; Bottom Pin Number "4" at 488.64,674.96 h25 r90; Bottom Pin Number "2" at 393.61,921.02 h25 r90; Bottom Pin Number "1" at 487.46,920.51 h25 r90; Bottom Pin Number "3" at 390.69,676.06 h25 r90
Y501: Bottom Overlay "1" at 2429,987 h31 r270; Bottom Pin Number "2" at 2427.43,1093.89 h25 r270; Bottom Pin Number "4" at 2477.43,1028.9 h25 r270; Bottom Pin Number "1" at 2427.43,1028.9 h25 r270; Bottom Pin Number "3" at 2477.43,1093.89 h25 r270
Y601: Bottom Overlay "1" at 2110,2815 h31; Bottom Pin Number "2" at 2128.84,2920.07 h25 r270; Bottom Pin Number "4" at 2178.84,2855.07 h25 r270; Bottom Pin Number "1" at 2128.84,2855.07 h25 r270; Bottom Pin Number "3" at 2178.84,2920.07 h25 r270